# Altium PCB CORE-XY.PcbDoc (part 2 of 2) (continued)
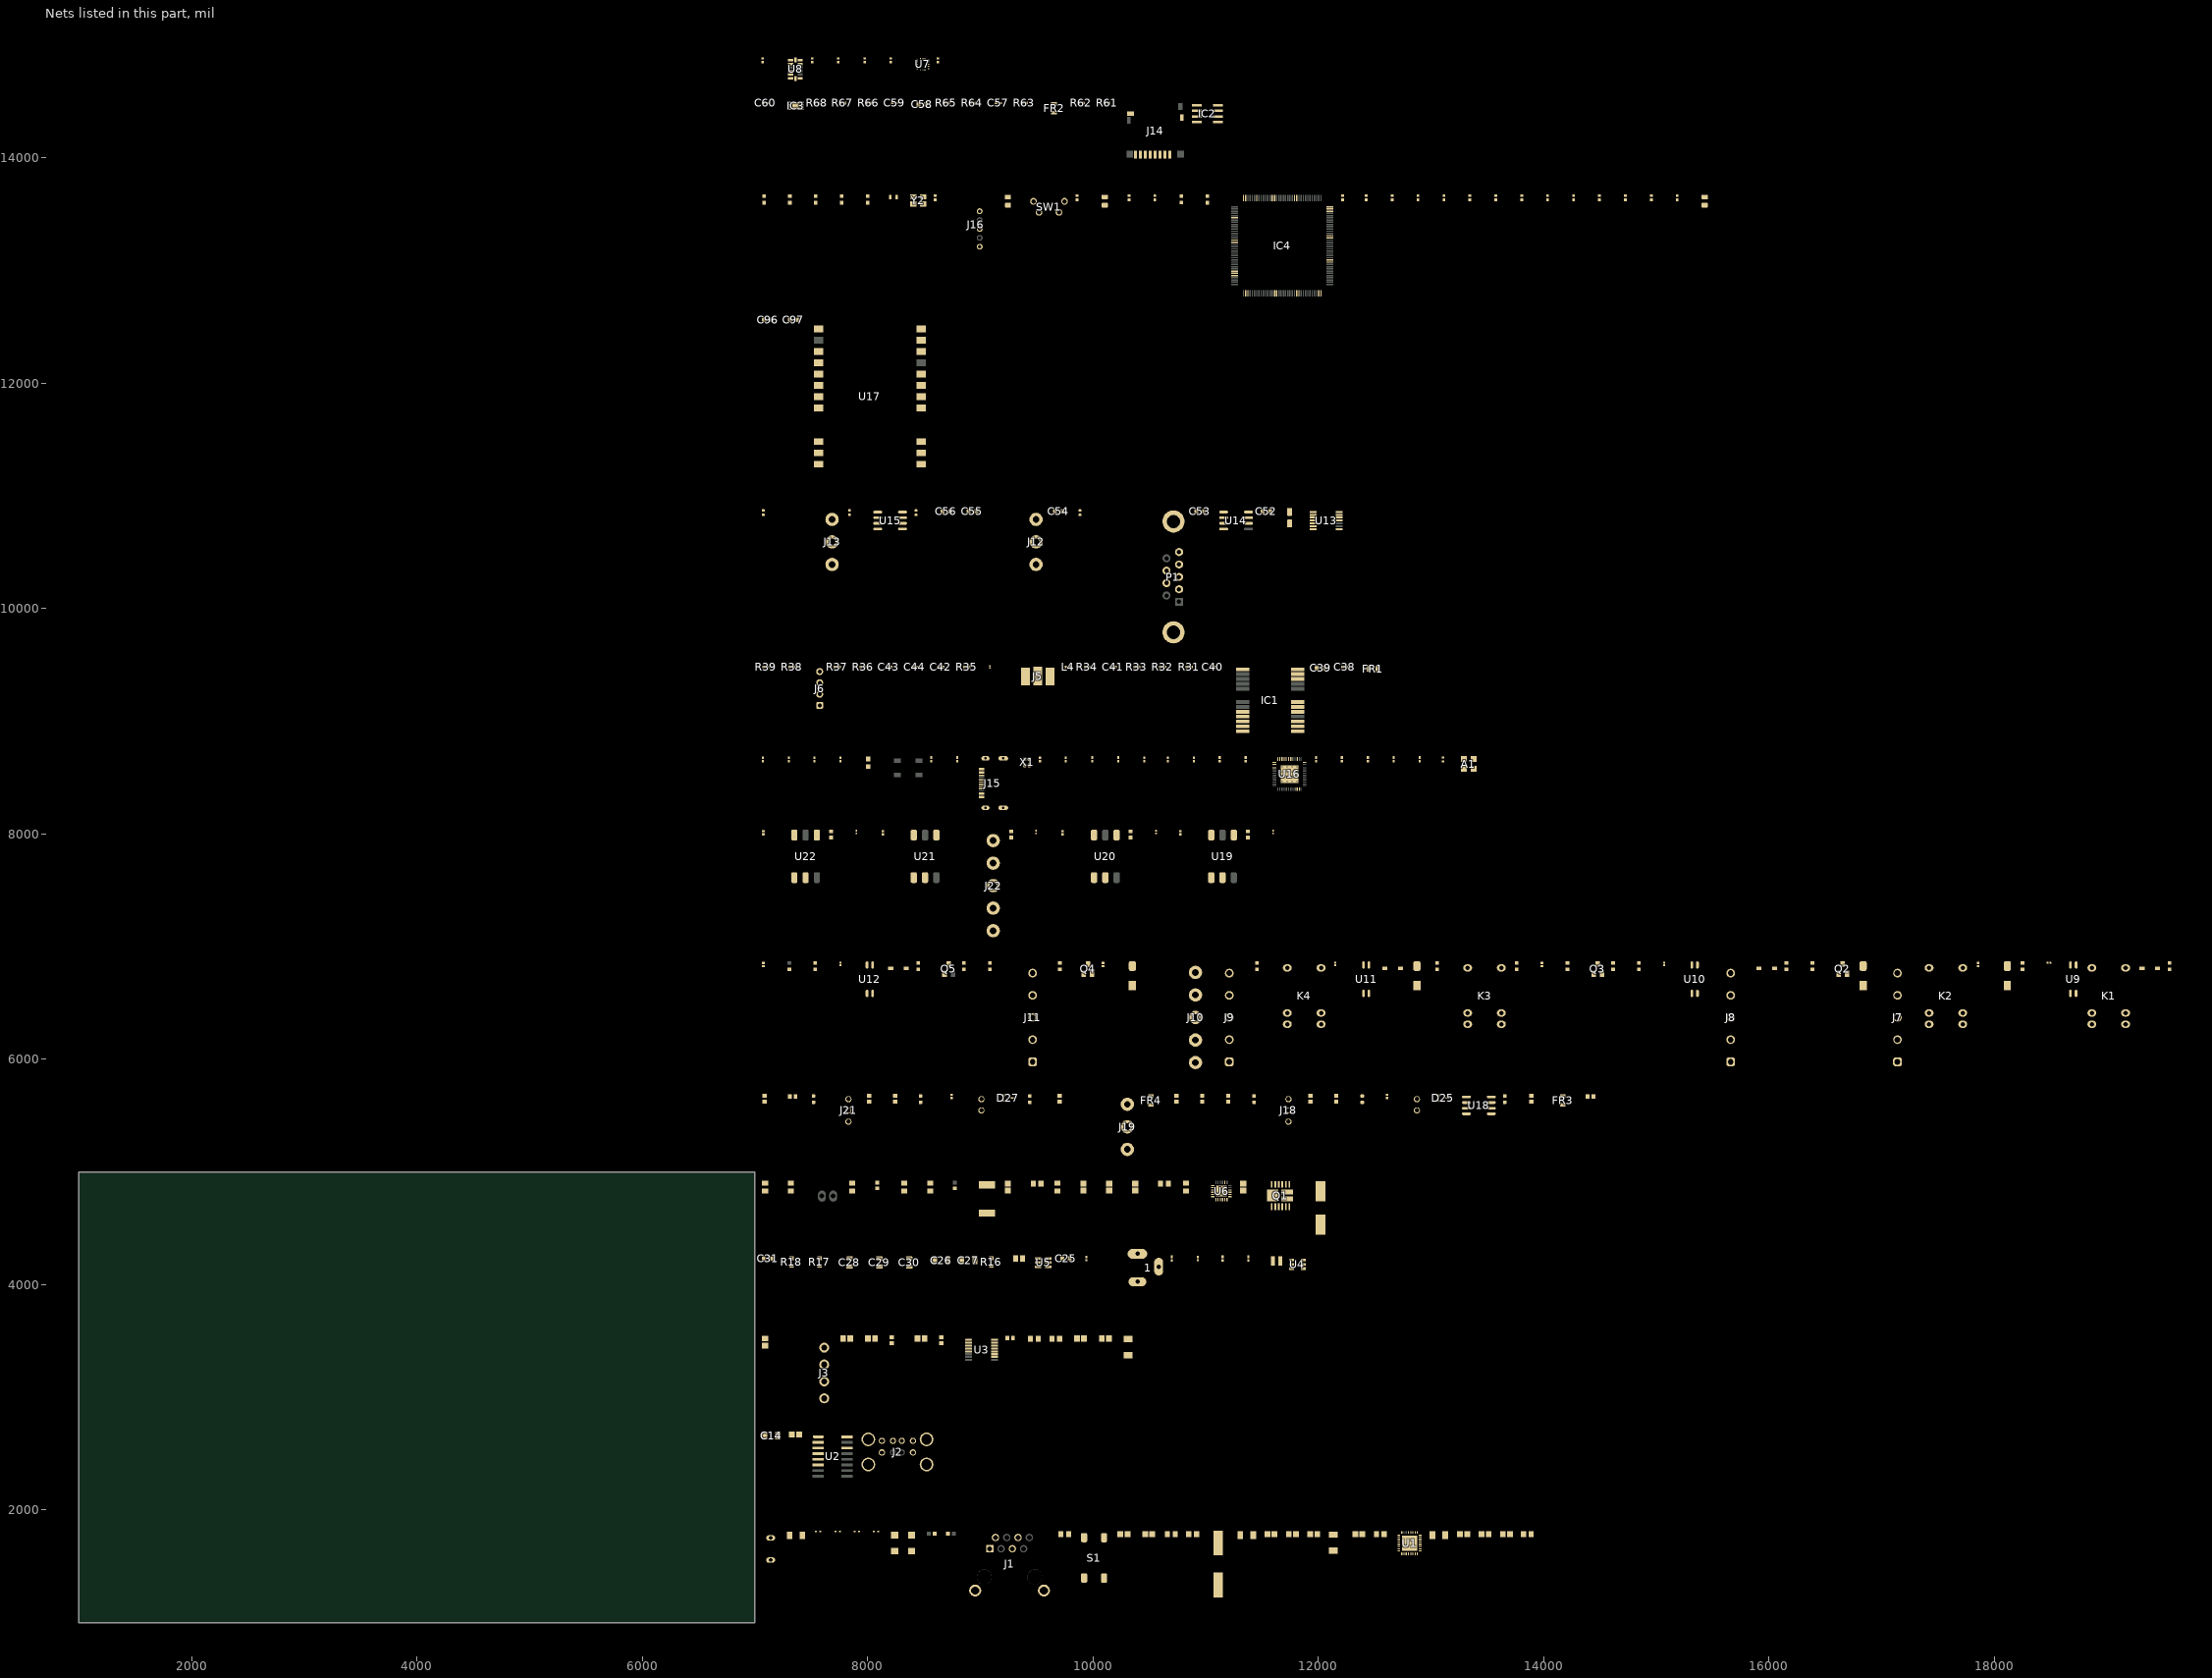
[diagram p2: the nets of this part, all layers, seen from the top]
## Part data (continued)
C98 C99 C100 C101 C102 C103: library part "Cap Semi", "0.10µF 50V Ceramic Capacitor X7R 0603", Digi-Key Part Number=1276-1936-1-ND, Manufacturer Part Number=CL10B104KB8SFNC
D1 D2: library part APTR3216SECK/J3-PRV, "LED SMD", Current - Test=20mA, Device Package="1206 (3216 Metric)", Lens Color=Colorless, Manufacturer=Kingbright, Millicandela Rating=350mcd, Supplier Device Package=1206, Supplier Part Number 1=754-APTR3216SECK/J3-PRVCT-ND, Voltage - Forward (Vf) (Typ)=2.2V, Color=Red, ComponentLink1Description=Datasheet, ComponentLink1URL=http://www.kingbrightusa.com/images/catalog/SPEC/APTR3216SECK-J3-PRV.pdf, ComponentLink2Description="DigiKey Link", ComponentLink2URL=http://digikey.com/product-detail/en/kingbright/APTR3216SECK-J3-PRV/754-APTR3216SECK-J3-PRVCT-ND/10293112, Configuration=1206, Height (Max)=1.25mm, LastUpdated="9/2/2020 01:21:09", Lens Size="1.60mm x 1.40mm", Lens Style="Rectangle with Flat Top", Lens Transparency=Clear, Lifecycle Status=Active, Minimum Order=1, Mounting Type="Surface Mount", Package / Case="1206 (3216 Metric)", Packaging=TapeAndReel, Part Number=APTR3216SECK/J3-PRV, Part Status=Active, PartId=194, Price=0.20, Series=Heli-R, Size / Dimension="3.20mm L x 1.60mm W", Supplier 1=DigiKey, Viewing Angle=140°, Wavelength - Dominant=625nm, Wavelength - Peak=640nm
D3 D4 D5 D6: library part DIO-T_3.3V-8.8V-SOD923, "TVS DIODE 3.3V 8.8V SOD923", Breakdown Voltage=5V, Capacitance=35pF, Clamping Voltage=5.8V, Current Rating=10mA, Manufacturer=MCC, Max Operating Temperature=150°C, Max Power Dissipation=100W, Min Operating Temperature=-55°C, Operating Supply Voltage=3.3V, Package Quantity=1, Peak Pulse Current=5A, Power Line Protection=No, Resistor Type=Zener, Supplier Part Number 1=ESD3V3D9-TPMSCT-ND, Category="TVS Diodes", ComponentLink1Description=https://datasheet.ciiva.com/333/esd3v3d9sod-923-333173.pdf?src-supplier=Digi-Key, ComponentLink1URL=https://datasheet.ciiva.com/333/esd3v3d9sod-923-333173.pdf?src-supplier=Digi-Key, ComponentLink2Description=https://datasheet.ciiva.com/4479/esd3v3d9sod-923-36448-4479598.pdf?src-supplier=Mouser, ComponentLink2URL=https://datasheet.ciiva.com/4479/esd3v3d9sod-923-36448-4479598.pdf?src-supplier=Mouser, ComponentLink3Description=https://datasheet.ciiva.com/333/esd3v3d9sod-923-333174.pdf?src-supplier=Digi-Key, ComponentLink3URL=https://datasheet.ciiva.com/333/esd3v3d9sod-923-333174.pdf?src-supplier=Digi-Key, ComponentLink4Description=https://datasheet.ciiva.com/333/esd3v3d9sod-923-333175.pdf?src-supplier=Digi-Key, ComponentLink4URL=https://datasheet.ciiva.com/333/esd3v3d9sod-923-333175.pdf?src-supplier=Digi-Key, Diode Type=ZENER, Lead Free="Lead Free", Manufacturer Part Number=ESD3V3D9-TP, Min Breakdown Voltage=5V, Mount="Surface Mount", Number of Channels=1, Number of Unidirectional Channels=1, Packaging="Tape and Reel", Peak Pulse Power=100W, Pricing 1="1=0.29000, 10=0.23600, 100=0.12540, 500=0.08250, 1000=0.05610, 2000=0.05060 (USD)", Reverse Standoff Voltage=3.3V, RoHS=Yes, RoHS Compliant=Yes, Series=-, Stock 1=2991, Supplier 1=Digi-Key, Termination=SMD/SMT
D7 D12 D16 D20: library part DRIVE-LED, "Constant Current Regulator", Manufacturer_Name=onsemi, Mouser Part Number=863-NSI50010YT1G, Datasheet Link=http://www.onsemi.com/pub/Collateral/NSI50010Y-D.PDF, Geometry.Height=1.35mm, Manufacturer_Part_Number=NSI50010YT1G, Mouser Price/Stock=https://www.mouser.co.uk/ProductDetail/onsemi/NSI50010YT1G?qs=dubiLKbpNDpeXNVeIAV4bg%3D%3D
D8 D13 D17 D21 D29 D31 D33 D35: library part LED_SMD_0201_AMB, "LED, SMD, 0201, AMBER", ASSEMBLY=ASSEMBLY, DESC=DESCRIPTION, MANF=Kingbright, MANF_P#=APG0603SEC-TT, PARAM="20mA, 605nm, 140° Angle", PARAM2="2V, -40~85°C", Price=0.5$
D9 D11 D15 D18: library part DIODE_SMD_1N4002, "DIODE, GENERAL PURPOSE, 100V/1A", ASSEMBLY=ASSEMBLY, DESC=DESCRIPTION, MANF=MANF, MANF_P#=1N4002, PARAM="100V VRRM", PARAM2=1A, Price=PRICE
D10 D14 D19 D22 D30 D32 D34 D36: "TVS, ESD PROTECT, Bidirectional", MANF=ON, MANF_P#=ESD7461N2T5G, PARAM=16.5VB, Price=0.5$
D23: library part Led_RGB_0606, "RGB Led 1.6 x 1.6 mm Diffused", Manufacturer=Everlight, Manufacturer Part Number=19-237/R6GHBHW-C01/2T, Supplier Part Number 1=1080-1590-1-ND, Supplier 1=Digi-Key
D24: library part "LED 0603 Yellow", "LED YELLOW CLEAR 0603 SMD", Supplier Part Number 1=732-4981-1-ND, Supplier 1=Digi-Key
D25 D27: "Diode Array 1 Pair Series Connection Standard 85V 140mA _DC_ Surface Mount TO-236-3, SC-59, SOT-23-3", Package="SOT-23 Infineon", Availability=Unavailable, MF=Diodes, MP=BAV199, Price=None, SnapEDA_Link=https://www.snapeda.com/parts/BAV199/Diodes%20Inc./view-part/193783/?ref=snap
D26 D28: "TVS Diode (Bi-directional)", Arrow Part Number=SMBJ20CA, Manufacturer_Name=onsemi, Mouser Part Number=512-SMBJ20CA, Arrow Price/Stock=https://www.arrow.com/en/products/smbj20ca/on-semiconductor, Datasheet Link=https://componentsearchengine.com/Datasheets/1/SMBJ20CA.pdf, Height=2.45mm, Manufacturer_Part_Number=SMBJ20CA, Mouser Price/Stock=https://www.mouser.co.uk/ProductDetail/onsemi-Fairchild/SMBJ20CA?qs=iN0KuJO79Ka3il%2FXEzRA3A%3D%3D
ESD1: Capacitance @ Frequency="0.2pF @ 1MHz", Current - Peak Pulse (10/1000µs)="3A (8/20µs)", Manufacturer="ON Semiconductor", Manufacturer Part Number 1=ESD8472MUT5G, Operating Temperature="-55°C ~ 150°C (TJ)", Package / Case=2-XFDFN, Power - Peak Pulse=-, Power Line Protection=No, Supplier Device Package="2-X3DFN (0.62x0.32)", Supplier Part Number 1=ESD8472MUT5GOSCT-ND, Voltage - Breakdown (Min)=7V, Voltage - Clamping (Max) @ Ipp=14V, Voltage - Reverse Standoff (Typ)="5.3V (Max)", Applications="Automotive, RF Antenna", Assembly Info=NF, Category="Circuit Protection", ComponentLink1Description=http://www.onsemi.com/pub/Collateral/ESD8472-D.PDF, ComponentLink1URL=http://www.onsemi.com/pub/Collateral/ESD8472-D.PDF, Mounting Type="Surface Mount", Packaging="Cut Tape (CT)", Part Description="TVS DIODE 5.3VWM 14VC X3DFN2", Part Status=Active, Pricing 1="1=0.39, 10=0.315, 100=0.2142, 500=0.16068, 1000=0.12051 (USD)", RoHS="RoHS Compliant", Stock 1=2295, Supplier 1=Digi-Key, Type=Zener
FB1 FB2: library part BLM31KN102SZ1L, "FERRITE BEAD 1 KOHM 1206 1LN", Current Rating (Max)=2A, DC Resistance (DCR) (Max)=75mOhm, Device Package="1206 (3216 Metric)", Manufacturer="Murata Electronics", Operating Temperature="-55°C ~ 125°C", Ratings=AEC-Q200, Supplier Part Number 1=490-16522-1-ND, ComponentLink1Description=Datasheet, ComponentLink1URL=https://www.murata.com/en-global/products/productdata/8796751200286/QNFA9115.pdf, ComponentLink2Description="DigiKey Link", ComponentLink2URL=http://digikey.com/product-detail/en/murata-electronics/BLM31KN102SZ1L/490-16522-1-ND/7564150, Filter Type="Power Line", Height (Max)="0.071\" (1.80mm)", Impedance @ Frequency="1 kOhms @ 100MHz", LastUpdated="02/09/2020 01:18:24", Lifecycle Status=Active, Minimum Order=1, Mounting Type="Surface Mount", Number of Lines=1, Package / Case="1206 (3216 Metric)", Packaging=TapeAndReel, Part Number=BLM31KN102SZ1L, Part Status=Active, PartId=1565, Price=0.10, Series=BLM, Size / Dimension="0.126\" L x 0.063\" W (3.20mm x 1.60mm)", Supplier 1=DigiKey
FB3: library part Ferrite-Beads_0603, "WE-CBA SMT EMI Suppression Ferrite Bead, size 0201, 10Ohm, 0.65A", Case/Size Code=0201, DC Resistance Max=0.055Ohm, Manufacturer="Wurth Elektronik", Manufacturer Part Number=782219100, Operating Temperature Max=125°C, Operating Temperature Min=-55°C, Rated Current=0.65A, Automotive=Yes, Category="Ferrites for PCB Assembly", ComponentLink1Description="Website Link", ComponentLink1URL=https://www.we-online.com/redexpert/article/782219100?ad, ComponentLink2Description="Datasheet Link", ComponentLink2URL=https://www.we-online.com/redexpert/spec/782219100?ad, Height=0.3mm, Impedance @100MHz=10Ohm, Impedance Max=12.6Ohm, Impedance Max Test Condition=954MHz, Length=0.6mm, Match Code=WE-CBA, Mount="Surface Mount", Packaging="Tape and Reel", Type="Wide Band", Width=0.3mm
FR1 FR2 FR3 FR4: library part Ferrite, Current Rating=2A, DC Resistance (DCR)="100 mOhm Max", Impedance @ Frequency="600 Ohm @ 100MHz", Manufacturer="TDK Corporation", Manufacturer Part Number 1=MPZ2012S601AT000, Package / Case="0805 (2012 Metric)", Supplier Part Number 1=445-2206-2-ND, Category=Filters, Filter Type="Differential Mode - Single", Height (Max)="0.041\" (1.05mm)", Mounting Type="Surface Mount", Packaging="Tape & Reel (TR)", Part Description="FERRITE BEAD 600 OHM 0805 1LN", RoHS="RoHS Compliant", Size / Dimension="0.079\" L x 0.049\" W (2.00mm x 1.25mm)", Supplier 1=Digi-Key
IC1: library part NEO-M8P_M8M, "GNSS engine for GPS/QZSS, GLONASS", Manufacturer=u-blox, Manufacturer Part Number=NEO-M8Q-0, Supplier Part Number 1=672-1009-1-ND, ComponentLink1Description=https://www.u-blox.com/en/product/neo-7-series, ComponentLink1URL=https://www.u-blox.com/en/product/neo-7-series, ComponentLink2Description=Datasheet, ComponentLink3Description=https://www.u-blox.com/sites/default/files/NEO-M8-FW3_DataSheet_(UBX-15031086).pdf, ComponentLink3URL=https://www.u-blox.com/sites/default/files/NEO-M8-FW3_DataSheet_(UBX-15031086).pdf, Pricing 1="1=25, 10=20.244, 50=16.6216, 100=13.314 (USD)", Stock 1=5505, Supplier 1=Digi-Key
IC2: library part M25P40, Manufacturer="ISSI, Integrated Silicon Solution Inc", Manufacturer Part Number 1=IS25LQ040B-JNLE, Operating Temperature="-40°C ~ 105°C (TA)", Package / Case="8-SOIC (0.154\", 3.90mm Width)", Supplier Device Package=8-SOIC, Supplier Part Number 1=706-1316-ND, Voltage - Supply="2.3 V ~ 3.6 V", Category="Integrated Circuits (ICs)", Memory Format=FLASH, Memory Interface="SPI - Quad I/O", Memory Size="4Mb (512K x 8)", Memory Type=Non-Volatile, Mounting Type="Surface Mount", Packaging=Bulk, Part Description="FLASH - NOR Memory IC 4Mb (512K x 8) SPI - Quad I/O 104MHz  8-SOIC", Part Status=Active, RoHS="RoHS Compliant", Supplier 1=Digi-Key, Technology="FLASH - NOR", Write Cycle Time - Word, Page=800µs
IC3: library part M24128-DFMC6TG, Manufacturer=STMicroelectronics, Operating Temperature="-40°C ~ 85°C (TA)", Package / Case="8-UFDFN Exposed Pad", Supplier Device Package="8-UFDFPN (2x3)", Supplier Part Number 1=497-15739-1-ND, Voltage - Supply="1.7 V ~ 5.5 V", Assembly Info=NF, Category="Integrated Circuits (ICs)", ComponentLink1Description=http://www.st.com/content/ccc/resource/technical/document/datasheet/59/05/c9/5b/7b/41/48/b6/CD00259167.pdf/files/CD00259167.pdf/jcr:content/translations/en.CD00259167.pdf, ComponentLink1URL=http://www.st.com/content/ccc/resource/technical/document/datasheet/59/05/c9/5b/7b/41/48/b6/CD00259167.pdf/files/CD00259167.pdf/jcr:content/translations/en.CD00259167.pdf, Manufacturer Part Number 1=M24128-DFMC6TG, Memory Format=EEPROM, Memory Interface=I²C, Memory Size="128Kb (16K x 8)", Memory Type=Non-Volatile, Mounting Type="Surface Mount", Packaging="Cut Tape (CT)", Part Description="EEPROM Memory IC 128Kb (16K x 8) I²C 1MHz 450ns 8-UFDFPN (2x3)", Part Status=Active, Pricing 1="1=0.35, 10=0.348, 100=0.2854, 500=0.27748, 1000=0.27004 (USD)", RoHS="RoHS Compliant", Stock 1=5894, Supplier 1=Digi-Key, Technology=EEPROM, Write Cycle Time - Word, Page=5ms
IC4: "Integrated Circuit", Arrow Part Number=STM32F767ZGT6, Manufacturer_Name=STMicroelectronics, Mouser Part Number=511-STM32F767ZGT6, Arrow Price/Stock=https://www.arrow.com/en/products/stm32f767zgt6/stmicroelectronics?region=nac, Datasheet Link=http://www.st.com/content/ccc/resource/technical/document/datasheet/group3/c5/37/9c/1d/a6/09/4e/1a/DM00273119/files/DM00273119.pdf/jcr:content/translations/en.DM00273119.pdf, Height=1.6mm, Manufacturer_Part_Number=STM32F767ZGT6, Mouser Price/Stock=https://www.mouser.co.uk/ProductDetail/STMicroelectronics/STM32F767ZGT6?qs=qzCNEk%252BRr%252BZ4AVbZI2VU4A%3D%3D
J1: library part CON-SKT-RJ_8C8P-RA-TH, "8 Pins, 2 Row 2.54mm Pitch, right angle Connector, male", Alternate Part Number-1=NA, Case/Package=TH-CON, Manufacturer=Assmann, Manufacturer Part Number=A-2004-2-4-LPS-N-R, Supplier Part Number-1=A-2004-2-4-LPS-N-R, Supplier-1="SP ROAD"
J2: library part USB_typeA_double_USBR-A-D-F-O-TH, Manufacturer=Samtec, Manufacturer Part Number 1=USBR-A-D-F-O-TH, Max Operating Temperature=85°C, Max Voltage Rating (AC)=30V, Min Operating Temperature=-50°C, Supplier Part Number 1=SAM10376-ND, Contact Material=Bronze, Contact Plating=Gold, Gender=Female, Housing Material=Thermoplastic, Mount="Through Hole", Number of Contacts=4, Number of Ports=1, Number of Terminals=4, Orientation="Right Angle", Packaging=Bulk, Part Description="USB - A USB 2.0 Receptacle Connector 8 Position Through Hole, Right Angle", Pricing 1="1=1.6, 10=1.448, 25=1.3592, 50=1.3002, 100=1.2411, 250=1.12292, 500=1.03426, 1000=0.8865, 2500=0.8274 (USD)", Radiation Hardening=No, Stock 1=2359, Supplier 1=Digi-Key, Termination=Solder
J3: "TERM BLOCK HDR 4POS 90DEG 3.81MM", Color=Green, Current - UL=10A, Manufacturer="Amphenol Anytek", Operating Temperature="-40°C ~ 115°C", Supplier Part Number 1=609-3821-ND, Voltage - UL=300V, ComponentLink1Description=Datasheet, ComponentLink1URL=http://portal.fciconnect.com/Comergent//fci/drawing/oqxx32x100j0g.pdf, ComponentLink2Description="DigiKey Link", ComponentLink2URL=//digikey.com/product-detail/en/amphenol-anytek/OQ0432510000G/609-3821-ND/2261267, Contact Mating Finish=Tin, Header Orientation="90°, Right Angle", LastUpdated="12/16/2019 19:15:03", Lifecycle Status=0, Minimum Order=1, Mounting Type="Through Hole", Number of Levels=1, Number of Positions=4, Packaging=Bulk, Part Number=OQ0432510000G, Part Status=Active, Pitch="0.150\" (3.81mm)", Positions Per Level=4, Price=0.71, Series=06-381, Supplier 1=DigiKey, Termination Style=Solder, Type="Header, Male Pins, Shrouded (4 Side)"
J4: "TERM BLK 2P SIDE ENT 2.54MM PCB", Color=Green, Current=10A, Manufacturer="TE Connectivity AMP Connectors", Supplier Part Number 1=A98333-ND, Voltage=150V, ComponentLink1Description=Datasheet, ComponentLink1URL=https://www.te.com/commerce/DocumentDelivery/DDEController?Action=srchrtrv&DocNm=282834&DocType=Customer+Drawing&DocLang=English, ComponentLink2Description="DigiKey Link", ComponentLink2URL=http://digikey.com/product-detail/en/te-connectivity-amp-connectors/282834-2/A98333-ND/1150135, LastUpdated="15/01/2020 04:15:38", Lifecycle Status=Active, Mating Orientation="Horizontal with Board", Minimum Order=1, Mounting Type="Through Hole", Number of Levels=1, Packaging=Bulk, Part Number=282834-2, Part Status=Active, Pitch="0.100\" (2.54mm)", Positions Per Level=2, Price=0.88, Series=Buchanan, Supplier 1=DigiKey, Wire Gauge="16-30 AWG", Wire Termination="Screw - Rising Cage Clamp"
J5: library part RF_IF_connector, "CONN SMA JACK STR 50OHM EDGE MNT", Dielectric Material=-, Manufacturer="RF Solutions", Manufacturer Part Number 1=CON-SMA-EDGE-S, Supplier Part Number 1=CON-SMA-EDGE-S-ND, Body Finish=-, Body Material=-, Cable Group=-, Category="Connectors, Interconnects", Center Contact Material=-, Center Contact Plating=-, ComponentLink1Description=http://media.digikey.com/pdf/Data%20Sheets/RF%20Solutions%20PDFs/CON-SMA-EDGE.pdf, ComponentLink1URL=http://media.digikey.com/pdf/Data%20Sheets/RF%20Solutions%20PDFs/CON-SMA-EDGE.pdf, Connector Style=SMA, Connector Type="Jack, Female Socket", Contact Termination=Solder, Fastening Type=Threaded, Features=-, Frequency - Max=-, Housing Color=-, Impedance=-, Includes=-, Ingress Protection=-, Insertion Loss=-, Mating Cycles=-, Mounting Feature=-, Mounting Type="Board Edge, End Launch", Operating Temperature=-, Packaging=-, Part Description="SMA Connector Jack, Female Socket Board Edge, End Launch Solder", Part Status=Active, Pricing 1="1=2.1 (USD)", RoHS="RoHS Compliant", Shield Termination=Solder, Stock 1=1751, Supplier 1=Digi-Key, Voltage Rating=-
J6: library part Header4P, "Header, 4-pin", Current Rating=3A, Insulation Color=Black, Manufacturer="Wurth Electronics Inc.", Manufacturer Part Number 1=61300411121, Material Flammability Rating="UL94 V-0", Operating Temperature="-40°C ~ 125°C", Supplier Part Number 1=732-5317-ND, Voltage Rating=250V, Applications=-, Assembly Info=NF, Category="Connectors, Interconnects", ComponentLink1Description=http://katalog.we-online.de/em/datasheet/6130xx11121.pdf, ComponentLink1URL=http://katalog.we-online.de/em/datasheet/6130xx11121.pdf, Connector Type=Header, Contact Finish - Mating=Gold, Contact Finish - Post=-, Contact Finish Thickness - Mating=-, Contact Finish Thickness - Post=-, Contact Length - Mating="0.236\" (6.00mm)", Contact Length - Post="0.118\" (3.00mm)", Contact Material="Copper Alloy", Contact Shape=Square, Contact Type="Male Pin", Fastening Type=Push-Pull, Features=-, Ingress Protection=-, Insulation Height="0.100\" (2.54mm)", Insulation Material="Polybutylene Terephthalate (PBT)", Mated Stacking Heights=-, Mounting Type="Through Hole", Number of Positions=4, Number of Positions Loaded=All, Number of Rows=1, Overall Contact Length="0.454\" (11.54mm)", Packaging=Bulk, Part Description="4 Positions Header Connector 0.100\" (2.54mm) Through Hole Gold", Part Status=Active, Pitch - Mating="0.100\" (2.54mm)", Pricing 1="1=0.18, 10=0.153, 25=0.1272, 50=0.106, 100=0.096, 1000=0.088 (USD)", RoHS="RoHS Compliant", Row Spacing - Mating=-, Shrouding=Unshrouded, Stock 1=25204, Style="Board to Board or Cable", Supplier 1=Digi-Key, Termination=Solder
J7 J8 J9 J11: library part CONN-RELAY, "WR-TBL Series 1377 Horizontal Entry, THT, pitch 5mm, 5p", Manufacturer="Wurth Elektronik", Operating Temperature Max=120°C, Operating Temperature Min=-30°C, Rated Current=16A, Working Voltage=300V, Application="Pressure Clamp", Category="Terminal Blocks", ComponentLink1Description="Website Link", ComponentLink1URL=https://www.we-online.com/redexpert/article/691137710005?ad, ComponentLink2Description="Datasheet Link", ComponentLink2URL=https://www.we-online.com/redexpert/spec/691137710005?ad, Manufacturer Part Number=691137710005, Match Code=WR-TBL, Modularity=No, Mount="Through Hole", Number of Pins=5, Number of Rows=1, Orientation=Horizontal, Packaging=Box, Pitch=5mm
J10 J22: library part CONN_MSTB_5, "CONN, PHOENIX MSTB, 5-G, 5.08mm pitch"
J12 J13 J19: library part CONN_MSTB_3, "CONN, PHOENIX MSTB, 5-G, 5.08mm pitch"
J14: library part MICRO_SD_114-00841-68, Manufacturer="Amphenol Commercial Products", Manufacturer Part Number 1=114-00841-68, Supplier Part Number 1=114-00841-68-1-ND, Card Type="Secure Digital - microSD™", Category="Connectors, Interconnects", ComponentLink1Description=https://www.amphenolcanada.com/ProductSearch/drawings/AC/1140084168.pdf, ComponentLink1URL=https://www.amphenolcanada.com/ProductSearch/drawings/AC/1140084168.pdf, Connector Type=Connector, Contact Finish=Gold, Contact Finish Thickness="15.0µin (0.38µm)", Ejector Side=-, Features=Switch, Height Above Board="0.061\" (1.55mm)", Insertion, Removal Method="Push In, Pull Out", Mounting Feature="Normal, Standard - Top", Mounting Type="Surface Mount, Right Angle", Number of Positions="10 (8 + 2)", Packaging="Cut Tape (CT)", Part Description="10 (8 + 2) Position Card Connector Secure Digital - microSD™ Surface Mount, Right Angle Gold", Part Status=Active, Pricing 1="1=1.5, 10=1.358, 25=1.2752, 50=1.2196, 100=1.1642, 250=1.05336, 500=0.9702 (USD)", RoHS="RoHS Compliant", Stock 1=5866, Supplier 1=Digi-Key
J15: library part "USB C USB 2.0 and PD", "USB-C USB 2.0 5A PD 16 Position Mid Mount", Manufacturer="Jing Extension of the Electronic Co", Supplier Part Number 1=C168688, Supplier 1=LCSC
J16: library part SWD_DEBEG, "Connector", Manufacturer_Name=Molex, Mouser Part Number=538-55932-0510, Datasheet Link=https://componentsearchengine.com/Datasheets/2/55932-0510.pdf, Height=9.95mm, Manufacturer_Part_Number=55932-0510, Mouser Price/Stock=https://www.mouser.co.uk/ProductDetail/Molex/55932-0510?qs=iFujUUZFeMLhWbots6k70A%3D%3D
J17 J20: library part HDR_M_1X2, "CONN, HEADER, Male, pitch: 2.54mm, 2POS"
J18 J21: library part HDR_M_1X3, "CONN, HEADER, Male, pitch: 2.54mm, 3POS"
K1 K2 K3 K4: library part RELAY_SPDT_6_1611_TRB, "Relay, SPDT, 5P, 15.5X11mm, TRB 125VAC/1A", MANF=TTI, MANF_P#=TRB-12VDC-A, PARAM="12V, 17mA, 720Ohm", PARAM2="1A, 125VAC/30VDC", Price=-
L1: "2.2µH Shielded Inductor 2.05A 117mOhm Max 1008 (2520 Metric)", Supplier Part Number 1=2037-SDEM25201B-2R2MSCT-ND, Supplier 1=Digi-Key
L2: "0805, 600 Ohm@100MHz, 2.1A", Manufacturer=Wurth, PartNumber=74279220601, RefSupplier1=732-6126-1-ND, Size=0805, Supplier1=Digikey
L4: library part Inductor_0603, DC Current Rating=420, DC Resistance Max=0.58, High Frequency Inductor Case="0402 [1005 Metric]", Inductance=47, Inductance Tolerance="± 5%", Inductor Case Style="0402 [1005 Metric]<!--FANDB--><div class=\"features-and-benefits-container\"></div>", Inductor Construction=Wirewound, Manufacturer=COILCRAFT, Manufacturer Part Number=0402HP-47NXJLU, Self Resonant Frequency Min=2.4, Supplier Part Number 1=2285856, Manufacturer Part Number 1=0402HP-47NXJLU, Packaging="Cut Tape", Part Description="COILCRAFT  0402HP-47NXJLU  Surface Mount High Frequency Inductor, 0402HP Series, 47 nH, 420 mA, 0402 [1005 Metric], Wirewound", Product Range=0402, RoHS=Y-EX, Supplier 1=Farnell, SVHC="No SVHC (15-Jun-2015)"
L5: "Inductor, ??uH"
P1: library part CONN_DSUB_9RF, "CONN, DSUB, HD, 9PIN, R/A, FEMALE, THD", MANF=-, MANF_P#=-
Q1: library part MOSFET-N_60V-14.8A-V-DFN5045-12, "Mosfet Array 4 N-Channel 14.8A (Ta) Surface Mount V-DFN5045-12", Manufacturer=Diodes, Supplier Part Number 1=DMHT6016LFJ-13DICT-ND, Category=MOSFETs, ComponentLink1Description=https://www.diodes.com/assets/Datasheets/DMHT6016LFJ.pdf?src-supplier=Digi-Key, ComponentLink1URL=https://www.diodes.com/assets/Datasheets/DMHT6016LFJ.pdf?src-supplier=Digi-Key, Manufacturer Part Number=DMHT6016LFJ-13, Mount="Surface Mount", Packaging="Tape and Reel", Pricing 1="1=1.65000, 10=1.48400, 25=1.40040, 100=1.19310, 500=0.98020, 1000=0.81217 (USD)", Supplier 1=Digi-Key
Q2 Q3 Q4 Q5: "NDS Series N-Channel 60 V 2 Ohm Enhancement Mode Field Effect Transistor SOT-23", Package="SOT-23-3 ON Semiconductor", Availability="In Stock", Check_prices=https://www.snapeda.com/parts/NDS7002A/Onsemi/view-part/?ref=eda, MF="ON Semiconductor", MP=NDS7002A, Price=None, Purchase-URL=https://pricing.snapeda.com/search/part/NDS7002A/?ref=eda, SnapEDA_Link=https://www.snapeda.com/parts/NDS7002A/Onsemi/view-part/?ref=snap
R1 R2 R4 R5 R9 R10 R19 R20 R21 R22 R24 R26 R29 R30: library part CRCW080510K0FKEA, "RES SMD 10K OHM 1% 1/8W 0805", Device Package="0805 (2012 Metric)", Manufacturer="Vishay Dale", Operating Temperature="-55°C ~ 155°C", Power (Watts)="0.125W, 1/8W", Ratings=AEC-Q200, Supplier Device Package=0805, Supplier Part Number 1=541-10.0KCCT-ND, Temperature Coefficient=±100ppm/°C, Tolerance=±1%, ComponentLink1Description=Datasheet, ComponentLink1URL=http://www.vishay.com/docs/20035/dcrcwe3.pdf, ComponentLink2Description="DigiKey Link", ComponentLink2URL=http://digikey.com/product-detail/en/vishay-dale/CRCW080510K0FKEA/541-10.0KCCT-ND/1180897, Composition="Thick Film", Features="Automotive AEC-Q200", Height - Seated (Max)="0.020\" (0.50mm)", LastUpdated="02/09/2020 01:15:23", Lifecycle Status=Active, Minimum Order=1, Number of Terminations=2, Package / Case="0805 (2012 Metric)", Packaging=TapeAndReel, Part Number=CRCW080510K0FKEA, Part Status=Active, PartId=28101, Price=0.01, Resistance="10 kOhms", Series=CRCW, Size / Dimension="0.079\" L x 0.049\" W (2.00mm x 1.25mm)", Supplier 1=DigiKey
R3: library part RMCF0805FT6K49, "RES 6.49K OHM 1% 1/8W 0805", Device Package="0805 (2012 Metric)", Manufacturer="Stackpole Electronics Inc", Operating Temperature="-55°C ~ 155°C", Power (Watts)="0.125W, 1/8W", Ratings=AEC-Q200, Supplier Device Package=0805, Supplier Part Number 1=RMCF0805FT6K49CT-ND, Temperature Coefficient=±100ppm/°C, Tolerance=±1%, ComponentLink1Description=Datasheet, ComponentLink1URL=https://www.seielect.com/catalog/sei-rmcf_rmcp.pdf, ComponentLink2Description="DigiKey Link", ComponentLink2URL=http://digikey.com/product-detail/en/stackpole-electronics-inc/RMCF0805FT6K49/RMCF0805FT6K49CT-ND/1942423, Composition="Thick Film", Features="Automotive AEC-Q200", Height - Seated (Max)="0.026\" (0.65mm)", LastUpdated="02/09/2020 01:14:25", Lifecycle Status=Active, Minimum Order=1, Number of Terminations=2, Package / Case="0805 (2012 Metric)", Packaging=CutTape, Part Number=RMCF0805FT6K49, Part Status=Active, PartId=49590, Price=0.10, Resistance="6.49 kOhms", Series=RMCF, Size / Dimension="0.079\" L x 0.049\" W (2.00mm x 1.25mm)", Supplier 1=DigiKey
R6 R7: library part ERJ-3EKF3301V, "RES SMD 3.3K OHM 1% 1/10W 0603", Device Package="0603 (1608 Metric)", Manufacturer="Panasonic Electronic Components", Operating Temperature="-55°C ~ 155°C", Power (Watts)="0.1W, 1/10W", Ratings=AEC-Q200, Supplier Device Package=0603, Supplier Part Number 1=P3.30KHCT-ND, Temperature Coefficient=±100ppm/°C, Tolerance=±1%, ComponentLink1Description=Datasheet, ComponentLink1URL=https://industrial.panasonic.com/cdbs/www-data/pdf/RDA0000/AOA0000C304.pdf, ComponentLink2Description="DigiKey Link", ComponentLink2URL=http://digikey.com/product-detail/en/panasonic-electronic-components/ERJ-3EKF3301V/P3.30KHCT-ND/1746762, Composition="Thick Film", Features="Automotive AEC-Q200", Height - Seated (Max)="0.022\" (0.55mm)", LastUpdated="9/2/2020 01:10:23", Lifecycle Status=Active, Minimum Order=1, Number of Terminations=2, Package / Case="0603 (1608 Metric)", Packaging=TapeAndReel, Part Number=ERJ-3EKF3301V, Part Status=Active, PartId=5657, Price=0.01, Resistance="3.3 kOhms", Series=ERJ, Size / Dimension="0.063\" L x 0.031\" W (1.60mm x 0.80mm)", Supplier 1=DigiKey
R8: library part CRG1206F1M0, "RES SMD 1M OHM 1% 1/4W 1206", Device Package="1206 (3216 Metric)", Manufacturer="TE Connectivity Passive Product", Operating Temperature="-55°C ~ 155°C", Power (Watts)="0.25W, 1/4W", Supplier Device Package=1206, Supplier Part Number 1=A106072CT-ND, Temperature Coefficient=±100ppm/°C, Tolerance=±1%, ComponentLink1Description=Datasheet, ComponentLink1URL=https://www.te.com/commerce/DocumentDelivery/DDEController?Action=srchrtrv&DocNm=1773204&DocType=DS&DocLang=English, ComponentLink2Description="DigiKey Link", ComponentLink2URL=http://digikey.com/product-detail/en/te-connectivity-passive-product/CRG1206F1M0/A106072CT-ND/3477725, Composition="Thick Film", Height - Seated (Max)="0.026\" (0.65mm)", LastUpdated="02/09/2020 01:13:10", Lifecycle Status=Active, Minimum Order=1, Number of Terminations=2, Package / Case="1206 (3216 Metric)", Packaging=TapeAndReel, Part Number=CRG1206F1M0, Part Status=Active, PartId=26984, Price=0.01, Resistance="1 MOhms", Series="CRG, Neohm", Size / Dimension="0.122\" L x 0.061\" W (3.10mm x 1.55mm)", Supplier 1=DigiKey
R11: library part RT0603FRE07100KL, "RES SMD 100K OHM 1% 1/10W 0603", Device Package="0603 (1608 Metric)", Manufacturer=Yageo, Operating Temperature="-55°C ~ 155°C", Power (Watts)="0.1W, 1/10W", Supplier Device Package=0603, Supplier Part Number 1=YAG2319CT-ND, Temperature Coefficient=±50ppm/°C, Tolerance=±1%, ComponentLink1Description=Datasheet, ComponentLink1URL=https://www.yageo.com/upload/media/product/productsearch/datasheet/rchip/PYu-RT_1-to-0.01_RoHS_L_11.pdf, ComponentLink2Description="DigiKey Link", ComponentLink2URL=http://digikey.com/product-detail/en/yageo/RT0603FRE07100KL/YAG2319CT-ND/5252433, Composition="Thin Film", Height - Seated (Max)="0.022\" (0.55mm)", LastUpdated="9/2/2020 01:10:23", Lifecycle Status=Active, Minimum Order=1, Number of Terminations=2, Package / Case="0603 (1608 Metric)", Packaging=TapeAndReel, Part Number=RT0603FRE07100KL, Part Status=Active, PartId=5677, Price=0.01, Resistance="100 kOhms", Series=RT, Size / Dimension="0.063\" L x 0.031\" W (1.60mm x 0.80mm)", Supplier 1=DigiKey
R12 R13: library part CRCW06031K00FKEB, "RES SMD 1K OHM 1% 1/10W 0603", Device Package="0603 (1608 Metric)", Manufacturer="Vishay Dale", Operating Temperature="-55°C ~ 155°C", Power (Watts)="0.1W, 1/10W", Ratings=AEC-Q200, Supplier Device Package=0603, Supplier Part Number 1=541-2985-1-ND, Temperature Coefficient=±100ppm/°C, Tolerance=±1%, ComponentLink1Description=Datasheet, ComponentLink1URL=http://www.vishay.com/docs/20035/dcrcwe3.pdf, ComponentLink2Description="DigiKey Link", ComponentLink2URL=http://digikey.com/product-detail/en/vishay-dale/CRCW06031K00FKEB/541-2985-1-ND/6073628, Composition="Thick Film", Features="Automotive AEC-Q200", Height - Seated (Max)="0.020\" (0.50mm)", LastUpdated="9/2/2020 01:10:24", Lifecycle Status=Active, Minimum Order=1, Number of Terminations=2, Package / Case="0603 (1608 Metric)", Packaging=CutTape, Part Number=CRCW06031K00FKEB, Part Status=Active, PartId=5123, Price=0.10, Resistance="1 kOhms", Series=CRCW, Size / Dimension="0.063\" L x 0.033\" W (1.60mm x 0.85mm)", Supplier 1=DigiKey
R14: "Chip Resistor, 0402, 33k ohms, 1%, 1/16 W", Supplier Part Number 1=311-33.0KLRCT-ND, Supplier 1=Digi-Key
R15 R70: "Chip Resistor, 0402, 10k ohms, 1%, 1/16 W", Supplier Part Number 1=311-10.0KLRCT-ND, Supplier 1=Digi-Key
R16: library part 10k, "Resistor 10k 0603 1%", Case=0603, Tolerance=1%, RefSupplier1=311-10.0KHRCT-ND, Size="0603, 1.6x0.8x0.8mm", Supplier1=Digikey
R17: library part 100k, "Resistor 100k 0603 1%", Case=0603, Tolerance=1%, RefSupplier1=311-100KHRCT-ND, Supplier1=Digikey
R18: library part 17k8, "Resistor 17k8 0603 1%", Case=0603, Tolerance=1%, RefSupplier1=311-17.8KHRTR-ND, Supplier1=Digikey
R23: library part PA2512FKF7W0R05E, "METAL CURRENT SENSOR 2512 1% 100", Device Package="2512 (6432 Metric)", Manufacturer=Yageo, Operating Temperature="-55°C ~ 170°C", Power (Watts)=2W, Ratings=AEC-Q200, Supplier Device Package=2512, Supplier Part Number 1=YAG6100CT-ND, Temperature Coefficient=±100ppm/°C, Tolerance=±1%, ComponentLink1Description=Datasheet, ComponentLink1URL=http://www.yageo.com/documents/recent/PYu-PA_E_51_RoHS_10.pdf, ComponentLink2Description="DigiKey Link", ComponentLink2URL=http://digikey.com/product-detail/en/yageo/PA2512FKF7W0R05E/YAG6100CT-ND/9696554, Composition="Metal Element", Features="Automotive AEC-Q200, Current Sense, Moisture Resistant", Height - Seated (Max)="0.035\" (0.88mm)", LastUpdated="02/09/2020 01:26:58", Lifecycle Status=Active, Minimum Order=1, Number of Terminations=2, Package / Case="2512 (6432 Metric)", Packaging=TapeAndReel, Part Number=PA2512FKF7W0R05E, Part Status=Active, Price=0.20, Resistance="50 mOhms", Series=PA_E, Size / Dimension="0.250\" L x 0.125\" W (6.35mm x 3.18mm)", Supplier 1=DigiKey